# Altium PCB Computer_Board.PcbDoc (part 1 of 5) (continued)
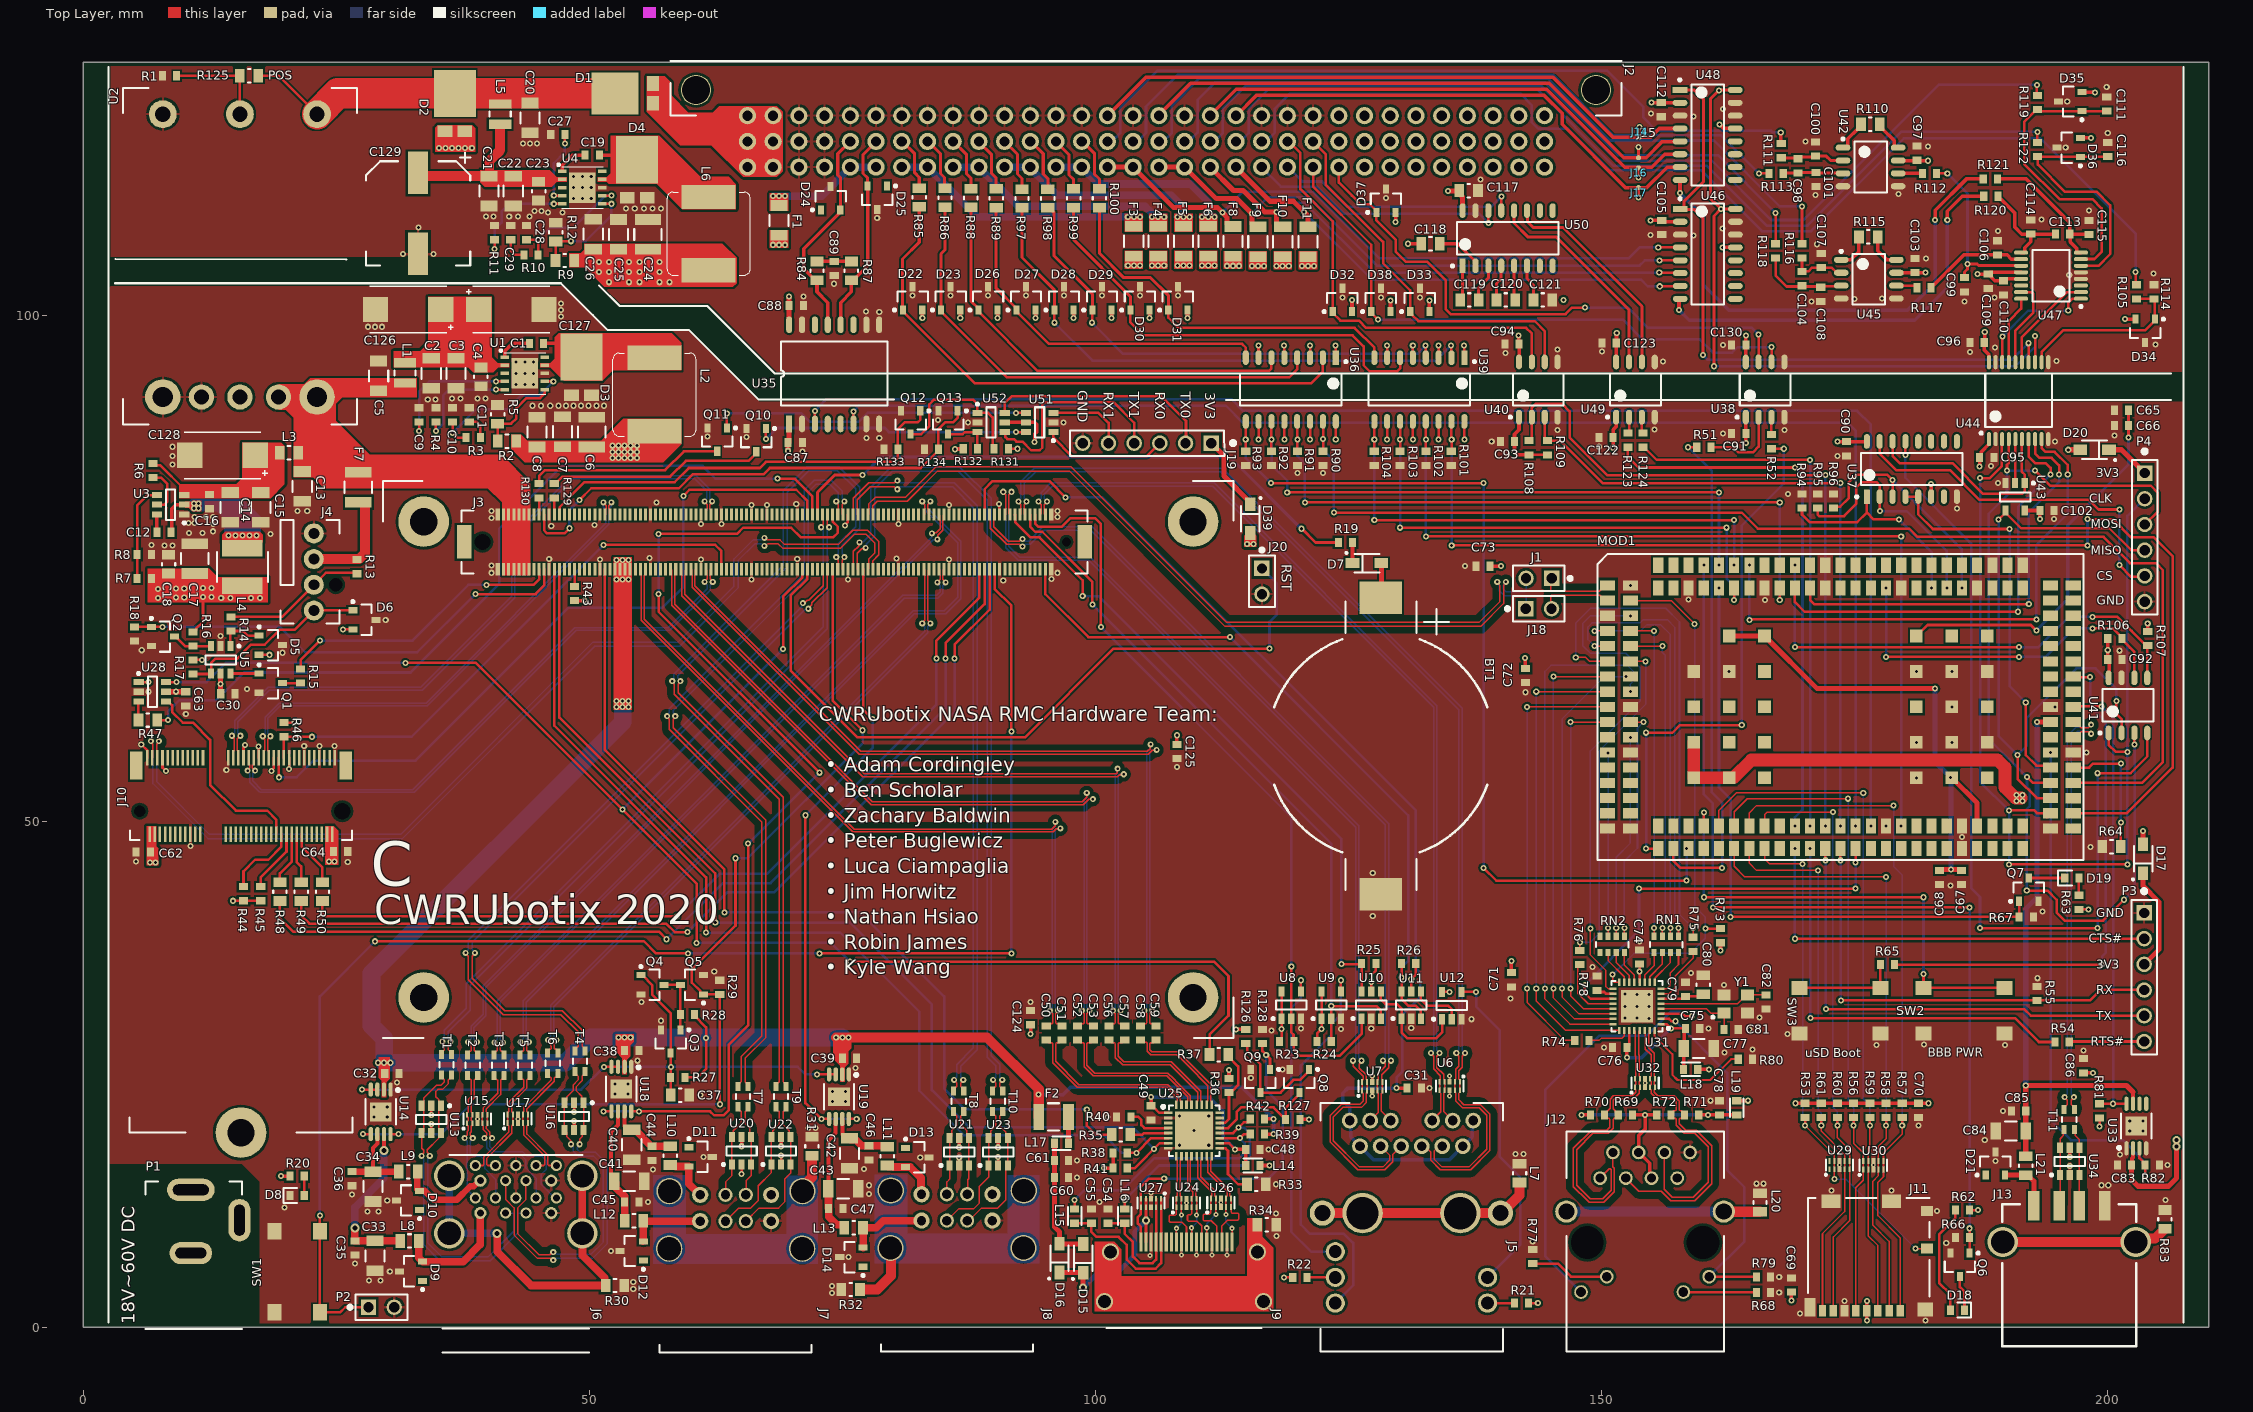
[diagram p0: Top Layer view]
## Classes and differential pairs (continued)
differential pair BBB_TX: +BBB_TX_P -BBB_TX_N
differential pair BBB_RX: +BBB_RX_P -BBB_RX_N

## Components (designator, comment, footprint, x,y, rotation, side; value= is the part's Value field where it differs from the comment)
BT1 "BU2032SM-JJ-GTR" BU2032SM-JJ-GTR 128.2,57.45 r270 top
C1 "0.1uF" chip_0603 44.8,97.2 r0 top
C2 "10uF" chip_1206 34.4,94.25 r270 top
C3 "10uF" chip_1206 36.85,94.25 r270 top
C4 "1uF" chip_0805 39.3,93.9 r270 top
C5 "10uF" chip_1206 29.2,94 r90 top
C6 "47uF" chip_1210 50.25,88.45 r90 top
C7 "10uF" chip_1206 47.35,88.475 r90 top
C8 "10uF" chip_1206 44.85,88.45 r90 top
C9 "10000pF" chip_0603 33.2,90.15 r90 top
C10 "39pF" chip_0603 36.5,90.15 r90 top
C11 "1000pF" chip_0603 38.15,90.15 r90 top
C12 "0.1uF" chip_0603 8,78.55 r0 top
C13 "10uF" chip_1206 21.65,83.075 r270 top
C14 "10uF" chip_1206 14.55,81 r270 top
C15 "10uF" chip_1206 17.55,81 r270 top
C16 "0.1uF" chip_0603 12.5,81.575 r270 top
C17 "47uF" chip_1210 11.05,75.95 r90 top
C18 "1uF" chip_0805 8.45,75.4 r90 top
C19 "0.1uF" chip_0603 50.3,115.8 r0 top
C20 "10uF" chip_1206 44.15,119.475 r270 top
C21 "10uF" chip_1206 40.1,112.25 r270 top
C22 "10uF" chip_1206 42.5,112.25 r270 top
C23 "1uF" chip_0805 45,112.25 r270 top
C24 "47uF" chip_1210 55.8,107.975 r90 top
C25 "10uF" chip_1206 52.9,107.975 r90 top
C26 "10uF" chip_1206 50.4,108 r90 top
C27 "10000pF" chip_0603 46.9,117.85 r180 top
C28 "39pF" chip_0603 43.8,108.15 r90 top
C29 "1000pF" chip_0603 42.25,108.15 r90 top
C30 "0.1uF" chip_0603 14.3,62.6 r0 top
C31 "0.1uF" chip_0603 131.5,23.65 r180 top
C32 "0.1uF" chip_0603 30.5,25.1 r180 top
C33 "10uF" chip_1206 28.85,7.074 r270 top
C34 "10uF" chip_1206 28.65,13.925 r270 top
C35 "0.1uF" chip_0603 26.85,7.85 r90 top
C36 "0.1uF" chip_0603 26.55,14.7 r90 top
C37 "1uF" chip_0805 58.975,22.95 r0 top
C38 "0.1uF" chip_0603 54.2,27.35 r180 top
C39 "0.1uF" chip_0603 75.7,26.6 r180 top
C40 "10uF" chip_1206 54.2,18.05 r270 top
C41 "10uF" chip_1206 53.95,14.45 r0 top
C42 "10uF" chip_1206 75.7,17.2 r270 top
C43 "10uF" chip_1206 75.1,13.7 r0 top
C44 "0.1uF" chip_0603 56.2,17.2 r90 top
C45 "0.1uF" chip_0603 54.2,12.4 r180 top
C46 "0.1uF" chip_0603 77.65,17.25 r90 top
C47 "0.1uF" chip_0603 74.35,11.75 r180 top
C48 "0.1uF" chip_0603 115.55,17.6 r180 top
C49 "0.1uF" chip_0603 105.5,21.2 r90 top
C50 "0.1uF" chip_0603 95.15,29.1 r270 top
C51 "0.1uF" chip_0603 96.7,29.1 r270 top
C52 "0.1uF" chip_0603 98.25,29.1 r270 top
C53 "0.1uF" chip_0603 99.8,29.1 r270 top
C54 "47pF" chip_0603 101.25,11 r90 top
C55 "47pF" chip_0603 99.6,11 r90 top
C56 "0.1uF" chip_0603 101.35,29.1 r270 top
C57 "0.1uF" chip_0603 102.9,29.1 r270 top
C58 "0.1uF" chip_0603 104.45,29.1 r270 top
C59 "0.1uF" chip_0603 106,29.1 r270 top
C60 "0.1uF" chip_0603 96.65,14.8 r180 top
C61 "0.1uF" chip_0603 96.65,16.5 r180 top
C62 "0.1uF" chip_0603 5.95,46.95 r180 top
C63 "0.1uF" chip_0603 10.15,62.1 r90 top
C64 "0.1uF" chip_0603 25.45,47 r180 top
C65 "0.1uF" chip_0603 201.35,90.6 r0 top
C66 "0.1uF" chip_0603 201.35,89.1 r0 top
C67 "0.1uF" chip_0603 185.55,44.45 r90 top
C68 "0.1uF" chip_0603 183.4,44.45 r90 top
C69 "0.1uF" chip_0603 168.75,4.2 r270 top
C70 "0.1uF" chip_0603 181.3,21.45 r90 top
C71 "0.1uF" chip_0603 141.1,34.35 r90 top
C72 "0.1uF" chip_0603 142.5,64.4 r90 top
C73 "0.1uF" chip_0603 138.3,75.2 r0 top
C74 "0.1uF" chip_0603 153.75,36.6 r270 top
C75 "0.1uF" chip_0603 159,29.55 r180 top
C76 "0.1uF" chip_0603 151.8,27.65 r0 top
C77 "10uF" chip_1206 159.6,27.55 r0 top
C78 "0.1uF" chip_0603 161.65,21.7 r270 top
C79 "470pF" chip_0603 158.3,33.4 r90 top
C80 "1uF" chip_0805 160.05,33.85 r90 top
C81 "18pF" chip_0603 162.8,29.45 r0 top
C82 "18pF" chip_0603 166.25,32.15 r270 top
C83 "0.1uF" chip_0603 201.65,16.05 r180 top
C84 "10uF" chip_1206 190.425,19.4 r180 top
C85 "0.1uF" chip_0603 191.2,21.4 r0 top
C86 "0.1uF" chip_0603 197.6,25.85 r90 top
C87 "0.1uF" chip_0603 70.35,87.4 r0 top
C88 "0.1uF" chip_0603 70.45,100.95 r0 top
C89 "10000pF" chip_0603 74.2,104.6 r270 top
C90 "0.1uF" chip_0603 174.2,86.8 r270 top
C91 "0.1uF" chip_0603 163.55,88.3 r0 top
C92 "0.1uF" chip_0603 200.7,66 r0 top
C93 "0.1uF" chip_0603 140.7,87.5 r0 top
C94 "0.1uF" chip_0603 141.15,97.15 r180 top
C95 "0.1uF" chip_0603 188.05,85.95 r180 top
C96 "0.1uF" chip_0603 187.1,97.3 r180 top
C97 "0.1uF" chip_0603 181.15,116 r90 top
C98 "0.1uF" chip_0603 169.4,114.75 r270 top
C99 "1000pF" chip_0603 185.85,103 r270 top
C100 "1000pF" chip_0603 171.15,116.4 r90 top
C101 "1000pF" chip_0603 171.2,113.4 r270 top
C102 "0.1uF" chip_0603 194,80.7 r180 top
C103 "0.1uF" chip_0603 180.95,104.9 r90 top
C104 "0.1uF" chip_0603 169.8,103.6 r270 top
C105 "0.1uF" chip_0603 155.95,108.65 r90 top
C106 "1000pF" chip_0603 189.096,106.65 r90 top
C107 "1000pF" chip_0603 171.7,105.4 r90 top
C108 "1000pF" chip_0603 171.65,102.05 r270 top
C109 "0.1uF" chip_0603 188.2,103.35 r90 top
C110 "0.1uF" chip_0603 189.7,102.7 r270 top
C111 "1000pF" chip_0603 199.9,120.85 r90 top
C112 "0.1uF" chip_0603 155.9,120.3 r90 top
C113 "0.1uF" chip_0603 195.546,108 r0 top
C114 "1000pF" chip_0603 192.396,108.7 r90 top
C115 "1000pF" chip_0603 198.146,108.65 r90 top
C116 "1000pF" chip_0603 200,116.35 r90 top
C117 "1uF" chip_0805 136.875,112.3 r180 top
C118 "1uF" chip_0805 133.1,107.05 r0 top
C119 "1uF" chip_0805 136.95,101.5 r180 top
C120 "1uF" chip_0805 140.55,101.5 r180 top
C121 "1uF" chip_0805 144.2,101.5 r0 top
C122 "0.1uF" chip_0603 150.45,87.9 r0 top
C123 "0.1uF" chip_0603 150.75,97.25 r180 top
C124 "0.1uF" chip_0603 93.6,30.6 r270 top
C125 "0.1uF" chip_0603 108.05,56.9 r90 top
C126 "220uF" chip_2917_KEMET_T495 32.124,100.55 r180 top
C127 "220uF" chip_2917_KEMET_T495 42.3,100.55 r0 top
C128 "220uF" chip_2917_KEMET_T495 13.774,86.15 r180 top
C129 "470uF" CAP_SMD_10x10_0 33.1,110.05 r0 top
C130 "0.1uF" chip_0603 163.55,97.05 r180 top
D1 "diode_sch_A12C3" TO-277-3 53.55,121.9 r0 top
D2 "diode_sch_A12C3" TO-277-3 36.735,120.9 r270 top
D3 "diode_sch_A12C3" TO-277-3 49.235,94.85 r270 top
D4 "diode_sch_A12C3" TO-277-3 54.735,114.35 r270 top
D5 "DLPT05" sot-23-3 18.55,67.4 r0 top
D6 "DLPT05" sot-23-3 27.8,69.9 r0 top
D7 "diode_2" sod123_0 126.825,75.5 r0 top
D8 "diode_4" chip_0603_LED 21.15,13.05 r0 top
D9 "DLPT05" sot-23-3 32.4,5.55 r180 top
D10 "DLPT05" sot-23-3 32.1,12.55 r180 top
D11 "DLPT05" sot-23-3 61,16.85 r0 top
D12 "DLPT05" sot-23-3 54.2,7.55 r180 top
D13 "DLPT05" sot-23-3 82.4,16.8 r0 top
D14 "DLPT05" sot-23-3 75.9,6.95 r180 top
D15 "diode_2" sod123_0 98.8,6.825 r90 top
D16 "diode_2" sod123_0 96.45,6.85 r90 top
D17 "diode_2" sod123_0 203.5,46.3 r90 top
D18 "diode_4" chip_0603_LED 185.15,1.7 r180 top
D19 "diode_4" chip_0603_LED 196.45,44.4 r0 top
D20 "diode_2" sod123_0 198.7,86.7 r180 top
D21 "DLPT05" sot-23-3 188.9,16.2 r90 top
D22 "DLPT05" sot-23-3 81.95,101.65 r90 top
D23 "DLPT05" sot-23-3 85.7,101.65 r90 top
D24 "DLPT05" sot-23-3 73.85,111.55 r90 top
D25 "DLPT05" sot-23-3 78.45,111.6 r270 top
D26 "DLPT05" sot-23-3 89.4,101.65 r90 top
D27 "DLPT05" sot-23-3 93.15,101.65 r90 top
D28 "DLPT05" sot-23-3 96.9,101.65 r90 top
D29 "DLPT05" sot-23-3 100.65,101.65 r90 top
D30 "DLPT05" sot-23-3 104.4,101.65 r90 top
D31 "DLPT05" sot-23-3 108.15,101.65 r90 top
D32 "DLPT05" sot-23-3 124.4,101.5 r90 top
D33 "DLPT05" sot-23-3 132.05,101.5 r90 top
D34 "DLPT05" sot-23-3 203.7,98.45 r270 top
D35 "DLPT05" sot-23-3 196.3,121.1 r180 top
D36 "DLPT05" sot-23-3 196.15,116.55 r180 top
D37 "DLPT05" sot-23-3 128.7,111.3 r90 top
D38 "DLPT05" sot-23-3 128.2,101.5 r90 top
D39 "diode_2" sod123_0 115.3,79.9 r270 top
F1 "PTC_0" chip_1206 68.75,109.35 r270 top
F2 "PTC_0" chip_1210 95.875,20.8 r180 top
F3 "PTC_0" chip_1206 103.8,107.3 r270 top
F4 "PTC_0" chip_1206 106.2,107.3 r270 top
F5 "PTC_0" chip_1206 108.7,107.3 r270 top
F6 "PTC_0" chip_1206 111.15,107.3 r270 top
F7 "PTC_0" chip_1210 27.2,83 r90 top
F8 "PTC_0" chip_1206 113.6,107.275 r90 top
F9 "PTC_0" chip_1206 116.05,107.25 r90 top
F10 "PTC_0" chip_1206 118.5,107.25 r90 top
F11 "PTC_0" chip_1206 121,107.25 r90 top
J1 "conn-2x1_0" HDDR_2x1_0 143.8,74 r180 top
J2 "1-1393644-6" TE_CONN_1-1393644-6 65.63,119.7 r180 top
J3 "3-1827253-6" TE_CONN_1827253 68.3,77.6 r0 top
J4 "conn-4x1_0" MOLEX_0470531000 22.8,78.44 r90 top
J5 "J0G-0003NL" J0G-0003NL 131.22,20.44 r180 top
J6 "1003-004-01010" CNC_TECH_1003-004-01010 42.75,12.8 r0 top
J7 "usb_a_x2" CUI_UJ2-ADH-1-TH 64.466,10.5 r0 top
J8 "usb_a_x2" CUI_UJ2-ADH-1-TH 86.33,10.56 r0 top
J9 "10029449-111RLF" AMPHENOL_10029449 108.75,7.5 r0 top
J10 "2199230-4" TE_CONN_2199230-4 15.6,51 r0 top
J11 "1040310811" MOLEX_1040310811 176.395,1.4 r0 top
J12 "amphenol-RJMG1B" AMPHENOL_RJMG1B 154.3,8.4 r0 top
J13 "usb_a" AMPHENOL_87583-3010RPALF 196.2,8.45 r0 top
J14 "Net Tie" net_tie_0#1 153.75,118.1 r270 top net-tie
J15 "Net Tie" net_tie_0#1 153.65,116.05 r270 top net-tie
J16 "Net Tie" net_tie_0#2 153.65,114.05 r90 top net-tie
J17 "Net Tie" net_tie_0#1 153.65,112.093 r90 top net-tie
J18 "conn-2x1_0" HDDR_2x1_0 143.8,71 r0 top
J19 "conn-6x1_0" HDDR_6X1_0 105.095,87.35 r180 top
J20 "conn-2x1_0" HDDR_2x1_0 116.45,73.7 r270 top
L1 "ind_1" CHIP_1008_IND 31.8,94.3 r90 top
L2 "ind_1" VISHAY_IHLP3232DZ 56.45,92.15 r270 top
L3 "ind_1" chip_0805 20.35,86.4 r180 top
L4 "ind_1" BOURNS_SRN5040 15.75,75.125 r270 top
L5 "ind_1" CHIP_1008_IND 41.2,119.85 r270 top
L6 "ind_1" VISHAY_IHLP3232DZ 61.8,108.05 r270 top
L7 "bead_0" CHIP_0805_FE 141.9,15.25 r90 top
L8 "bead_0" CHIP_0805_FE 32.25,8.55 r0 top
L9 "bead_0" CHIP_0805_FE 32.125,15.4 r180 top
L10 "bead_0" CHIP_0805_FE 58,16.975 r90 top
L11 "bead_0" CHIP_0805_FE 79.45,16.925 r90 top
L12 "bead_0" CHIP_0805_FE 54.425,10.55 r180 top
L13 "bead_0" CHIP_0805_FE 76.125,9.85 r180 top
L14 "bead_0" CHIP_0603_FE 115.55,16 r0 top
L15 "bead_0" CHIP_0603_FE 97.95,11 r90 top
L16 "bead_0" CHIP_0603_FE 102.9,11 r90 top
L17 "bead_0" CHIP_0603_FE 96.65,18.2 r0 top
L18 "bead_0" CHIP_0603_FE 158.8,25.5 r0 top
L19 "bead_0" CHIP_0603_FE 163.35,21.7 r90 top
L20 "bead_0" CHIP_0805_FE 165.65,12.35 r270 top
L21 "bead_0" CHIP_0805_FE 191.9,15.975 r90 top
MOD1 "BCM1.STR" BEAGLECORE_BCM1 173.6,61.3 r0 top
P1 "conn-barrel_0" SWITCHCRAFT_RAPC722X 10.65,-0.15 r0 top
P2 "conn-2x1_0" HDDR_2x1_0 29.48,2 r0 top
P3 "conn-6x1_0" HDDR_6X1_0 203.6,34.595 r270 top
P4 "conn-6x1_0" HDDR_6X1_0 203.65,78.045 r270 top
Q1 "n-mosfet_1" sot-23-3 18.55,63.65 r0 top
Q2 "n-mosfet_1" sot-23-3 7.9,68.25 r0 top
Q3 "n-mosfet_1" sot-23-3 58.05,28.25 r270 top
Q4 "n-mosfet_1" sot-23-3 56.25,33.85 r0 top
Q5 "n-mosfet_1" sot-23-3 60.15,33.85 r180 top
Q6 "n-mosfet_1" sot-23-3 185.4,6.2 r270 top
Q7 "n-mosfet_1" sot-23-3 192.2,43.25 r90 top
Q8 "n-mosfet_1" sot-23-3 120.15,24.35 r270 top
Q9 "n-mosfet_1" sot-23-3 116.3,24.35 r270 top
Q10 "n-mosfet_1" sot-23-3 66.5,87.65 r270 top
Q11 "n-mosfet_1" sot-23-3 62.65,87.7 r270 top
Q12 "n-mosfet_1" sot-23-3 81.75,89.4 r270 top
Q13 "n-mosfet_1" sot-23-3 85.45,89.4 r270 top
R1 "10k" chip_0603 8.55,123.65 r180 top
R2 "60.4k" chip_0805 41.875,87.55 r180 top
R3 "24k" chip_0603 38.55,87.9 r0 top
R4 "270k" chip_0603 34.85,90.15 r90 top
R5 "11.5k" chip_0805 40.95,90.2 r90 top
R6 "10k" chip_0603 6.9,84.65 r90 top
R7 "33k" chip_0603 6.05,74 r180 top
R8 "10k" chip_0603 6.05,76.35 r0 top
R9 "60.4k" chip_0805 47.6,105.4 r180 top
R10 "24k" chip_0603 44.25,105.95 r180 top
R11 "270k" chip_0603 40.65,108.15 r90 top
R12 "11.5k" chip_0805 46.7,108.2 r90 top
R13 "10k" chip_0603 27.05,75.15 r90 top
R14 "10k" chip_0603 14.6,69.5 r90 top
R15 "1k" chip_0603 21.5,64.35 r270 top
R16 "10k" chip_0603 10.85,68 r270 top
R17 "2.2k" chip_0603 10.85,65.25 r270 top
R18 "10k" chip_0603 5.1,68.5 r270 top
R19 "330" chip_0603 124.7,77.55 r180 top
R20 "330" chip_0603 21.15,14.95 r180 top
R21 "100" chip_0603 142.1,2.4 r180 top
R22 "100" chip_0603 120.2,4.95 r0 top
R23 "10k" chip_0603 118.9,28.25 r0 top
R24 "10k" chip_0603 122.6,28.25 r0 top
R25 "10k" chip_0603 127,35.95 r180 top
R26 "10k" chip_0603 130.95,35.95 r180 top
R27 "10k" chip_0603 58.75,24.7 r180 top
R28 "10k" chip_0603 59.7,30.9 r180 top
R29 "470k" chip_0603 62.9,33.6 r90 top
R30 "0" chip_0805 52.55,4.15 r180 top
R31 "0" chip_0805 72,17.9 r270 top
R32 "0" chip_0805 75.825,3.75 r0 top
R33 "0" chip_0805 115.9,14.15 r0 top
R34 "0" chip_0805 116.925,10.15 r0 top
R35 "0" chip_0805 102.525,19.05 r180 top
R36 "100k" chip_0603 113.2,23.9 r270 top
R37 "0" chip_0805 112.2,26.95 r0 top
R38 "2.2k" chip_0603 102.45,17.25 r0 top
R39 "2.2k" chip_0603 116,19.1 r0 top
R40 "12.4k" chip_0603 102.8,20.8 r180 top
R41 "2.2k" chip_0603 102.45,15.75 r0 top
R42 "2.2k" chip_0603 116,20.6 r0 top
R43 "100k" chip_0603 48.55,72.5 r270 top
R44 "10k" chip_0603 15.85,42.85 r90 top
R45 "10k" chip_0603 17.55,42.85 r90 top
R46 "10k" chip_0603 19.85,59.05 r270 top
R47 "0" chip_0805 6.4,60 r180 top
R48 "0" chip_0805 19.45,43.05 r90 top
R49 "0" chip_0805 21.55,43.05 r90 top
R50 "0" chip_0805 23.65,43.05 r90 top
R51 "100" chip_0603 160.1,86.95 r0 top
R52 "100" chip_0603 166.8,87.5 r90 top
R53 "10k" chip_0603 170.1,21.45 r270 top
R54 "330" chip_0603 195.5,28.2 r0 top
R55 "100k" chip_0603 193,33 r270 top
R56 "10k" chip_0603 174.9,21.45 r270 top
R57 "10k" chip_0603 179.7,21.45 r270 top
R58 "10k" chip_0603 178.1,21.45 r270 top
R59 "10k" chip_0603 176.5,21.45 r270 top
R60 "10k" chip_0603 173.3,21.45 r270 top
R61 "10k" chip_0603 171.7,21.45 r270 top
R62 "330" chip_0603 185.65,11.6 r0 top
R63 "330" chip_0603 197.15,42 r270 top
R64 "0" chip_0805 200.375,47.5 r0 top
R65 "100" chip_0603 178.25,35.85 r0 top
R66 "10k" chip_0603 185.65,8.9 r180 top
R67 "10k" chip_0603 191.95,40.55 r0 top
R68 "330" chip_0603 166,3.45 r180 top
R69 "49.9" chip_0603 152.35,21 r180 top
R70 "49.9" chip_0603 149.6,21 r0 top
R71 "49.9" chip_0603 158.9,21 r180 top
R72 "49.9" chip_0603 156.15,21 r0 top
R73 "1.5k" chip_0603 161.75,38.7 r90 top
R74 "100" chip_0603 148.05,28.35 r0 top
R75 "100" chip_0603 159.05,37.85 r270 top
R76 "100" chip_0603 147.85,36.55 r270 top
R77 "330" chip_0603 143.2,7 r90 top
R78 "10k" chip_0603 149.55,34 r90 top
R79 "10k" chip_0603 166,5 r0 top
R80 "12.4k" chip_0603 164.2,26.5 r0 top
R81 "10k" chip_0603 199.2,21.4 r90 top
R82 "10k" chip_0603 204.4,16.05 r0 top
R83 "0" chip_0805 205.65,10.675 r270 top
R84 "60.4" chip_0805 72.5,104.375 r90 top
R85 "470" chip_0805 82.6,111.625 r90 top
R86 "470" chip_0805 85.15,111.6 r90 top
R87 "60.4" chip_0805 75.9,104.375 r270 top
R88 "470" chip_0805 87.7,111.575 r90 top
R89 "470" chip_0805 90.2,111.55 r90 top
R90 "10k" chip_0603 122.5,85.85 r270 top
R91 "10k" chip_0603 119.95,85.85 r270 top
R92 "10k" chip_0603 117.4,85.85 r270 top
R93 "10k" chip_0603 114.85,85.85 r270 top
R94 "10k" chip_0603 169.8,81.65 r90 top
R95 "10k" chip_0603 171.35,81.65 r90 top
R96 "10k" chip_0603 172.9,81.65 r90 top
R97 "470" chip_0805 92.75,111.525 r90 top
R98 "470" chip_0805 95.3,111.525 r90 top
R99 "470" chip_0805 97.85,111.55 r90 top
R100 "470" chip_0805 100.4,111.55 r90 top
R101 "10k" chip_0603 135.15,85.85 r270 top
R102 "10k" chip_0603 132.65,85.85 r270 top
R103 "10k" chip_0603 130.1,85.85 r270 top
R104 "10k" chip_0603 127.55,85.85 r270 top
R105 "100k" chip_0603 202.85,102.3 r90 top
R106 "10k" chip_0603 200.7,68.05 r0 top
R107 "10k" chip_0603 203.95,68.05 r270 top
R108 "2.2k" chip_0603 142.85,86.9 r270 top
R109 "2.2k" chip_0603 144.65,86.9 r270 top
R110 "470" chip_0805 176.55,118.85 r180 top
R111 "1.5k" chip_0603 167.75,116.25 r90 top
R112 "1.5k" chip_0603 182.4,114 r180 top
R113 "1.5k" chip_0603 167.25,114 r180 top
R114 "10k" chip_0603 204.554,102.3 r90 top
R115 "470" chip_0805 176.35,107.734 r180 top
R116 "1.5k" chip_0603 169.8,106.35 r90 top
R117 "1.5k" chip_0603 181.85,102.7 r180 top
R118 "1.5k" chip_0603 167.2,106.35 r90 top
R119 "1.5k" chip_0603 193.05,121 r90 top
R120 "1.5k" chip_0603 188.45,111.746 r180 top
R121 "1.5k" chip_0603 188.4,113.45 r180 top
R122 "1.5k" chip_0603 193.05,116.35 r90 top
R123 "100" chip_0603 152.6,87.65 r90 top
R124 "100" chip_0603 154.1,87.65 r90 top
R125 "0" chip_0805 16.4,123.65 r0 top
R126 "10k" chip_0603 114.85,28.75 r270 top
R127 "10k" chip_0603 119.5,20.55 r180 top
R128 "10k" chip_0603 116.5,28.75 r90 top
R129 "1k" chip_0603 46.55,82.65 r90 top
R130 "1k" chip_0603 45.05,82.65 r90 top
R131 "2.2k" chip_0603 90.7,86.8 r180 top
R132 "2.2k" chip_0603 87.65,86.8 r0 top
R133 "10k" chip_0603 79.8,86.75 r180 top
R134 "10k" chip_0603 83.8,86.75 r180 top
RN1 "res_array_4" chip_1206_arr 156.4,37.8 r270 top
RN2 "res_array_4" chip_1206_arr 151.05,37.8 r270 top
SW1 "SW_1P1T_2" B3FS-1000 21.15,5.5 r90 top
SW2 "SW_1P1T_2" B3FS-1000 185.8,31.3 r180 top
SW3 "SW_1P1T_2" B3FS-1000 173.55,31.3 r0 top
T1 "DLW21HN900SQ2L" MURATA_DLW21H 35.9,25.95 r270 top
T2 "DLW21HN900SQ2L" MURATA_DLW21H 38.49,25.9 r270 top
T3 "DLW21HN900SQ2L" MURATA_DLW21H 41.08,25.9 r270 top
T4 "DLW21HN900SQ2L" MURATA_DLW21H 49.1,26.3 r270 top
T5 "DLW21HN900SQ2L" MURATA_DLW21H 43.67,25.9 r270 top
T6 "DLW21HN900SQ2L" MURATA_DLW21H 46.4,26.1 r270 top
T7 "DLW21HN900SQ2L" MURATA_DLW21H 65.2,22.8 r270 top
T8 "DLW21HN900SQ2L" MURATA_DLW21H 86.5,22.35 r270 top
T9 "DLW21HN900SQ2L" MURATA_DLW21H 68.95,22.8 r270 top
T10 "DLW21HN900SQ2L" MURATA_DLW21H 90.35,22.35 r270 top
T11 "DLW21HN900SQ2L" MURATA_DLW21H 196.2,20.55 r270 top
U1 "TPS54561" WSON-10_0 43.65,94.25 r0 top
U2 "UWS-12/4.5-Q48N-C" MURATA_UWS 15.5,119.85 r270 top
U3 "TPS56220x" sot-23-6 8.65,81.275 r180 top
U4 "TPS54561" WSON-10_0 49.35,112.6 r0 top
U5 "SN74LVC2G04" sot-23-6 13.6,65.95 r270 top
U6 "TPD4E02B04DQAR" USON-10 135,23.85 r270 top
U7 "TPD4E02B04DQAR" USON-10 127.35,23.832 r90 top
U8 "SN74LVC1G126DBVR" sot-23-5 119.35,31.85 r90 top
U9 "SN74LVC1G126DBVR" sot-23-5 123.3,31.85 r90 top
U10 "SN74LVC1G11DBVR" sot-23-6 127.25,31.85 r90 top
U11 "SN74LVC1G11DBVR" sot-23-6 131.2,31.85 r90 top
U12 "SN74LVC1G126DBVR" sot-23-5 135.2,31.8 r90 top
U13 "USBLC6-2SC6Y" sot-23-6 34.4,20.55 r270 top
U14 "TPS2066DGNR" VSSOP-8-PPAD 29.4,21.3 r270 top
U15 "TPD4E02B04DQAR" USON-10 38.95,20.586 r90 top
U16 "USBLC6-2SC6Y" sot-23-6 48.5,20.85 r270 top
U17 "TPD4E02B04DQAR" USON-10 42.95,20.618 r90 top
U18 "TPS2066DGNR" VSSOP-8-PPAD 53.175,23.55 r270 top
U19 "TPS2066DGNR" VSSOP-8-PPAD 74.675,22.8 r270 top
U20 "USBLC6-2SC6Y" sot-23-6 65.05,17.45 r90 top
U21 "USBLC6-2SC6Y" sot-23-6 86.55,17.35 r90 top
U22 "USBLC6-2SC6Y" sot-23-6 68.95,17.45 r90 top
U23 "USBLC6-2SC6Y" sot-23-6 90.4,17.35 r90 top
U24 "TPD4E02B04DQAR" USON-10 109,12.3 r90 top
U25 "PTN3366BSMP" HVQFN-32 109.75,19.45 r0 top
U26 "TPD4E02B04DQAR" USON-10 112.4,12.318 r90 top
U27 "TPD4E02B04DQAR" USON-10 105.5,12.3 r270 top
U28 "SN74LVC1G11DBVR" sot-23-6 6.85,62.8 r0 top
U29 "TPD4E02B04DQAR" USON-10 173.5,16.036 r90 top
U30 "TPD4E02B04DQAR" USON-10 176.85,16.032 r90 top
U31 "LAN8710AI-EZK-TR" QFN-32-EP 153.5,31.725 r180 top
U32 "TPD4E02B04DQAR" USON-10 154.3,24.15 r90 top
U33 "TPS2066DGNR" VSSOP-8-PPAD 202.825,19.9 r90 top
U34 "USBLC6-2SC6Y" sot-23-6 196.25,16.4 r90 top
U35 "ADM3050EBRWZ" SOW-16 74.2,94.15 r90 top
U36 "TLP291-4" SO-16-6.3mm 119.3,92.65 r270 top
U37 "74HC138" SO-16 180.65,84.8 r90 top
U38 "ADuM3211" SO-8 166.15,92.65 r90 top
U39 "TLP291-4" SO-16-6.3mm 132,92.65 r270 top
U40 "ISO1541DR" SO-8 143.75,92.65 r90 top
U41 "ADT7310" SO-8_1 202,61.45 r90 top
U42 "LT1920CS8#PBF" SO-8_1 176.575,114.635 r0 top
U43 "SN74AHCT1G125" sot-23-5 190.85,82.05 r270 top
U44 "ADuM3153BRSZ" tssop-20_1 191.2,91.55 r90 top
U45 "LT1920CS8#PBF" SO-8_1 176.4,103.55 r0 top
U46 "DG408DY" SO-16_1 160.5,106.05 r0 top
U47 "ADS1220IPWR" TSSOP-16_0_1 194.396,103.9 r180 top
U48 "DG408DY" SO-16_1 160.475,117.799 r0 top
U49 "ADuM3211" SO-8 153.35,92.65 r90 top
U50 "MAX232CSE+" SO-16 140.724,107.6 r90 top
U51 "SN74LVC2G04" sot-23-6 94.5,89.4 r180 top
U52 "SN74LVC2G04" sot-23-6 89.7,89.4 r0 top
Y1 "osc_xtal_4p_1-3" ECX-32 163.25,31.95 r0 top

## Footprints (in the part's own frame and the unit in brackets; to place one, negate y for a bottom-side part, rotate by r counter-clockwise, add the part's x,y. Pads: shape width x height; smd on the part's side, far side on the other; paste and mask are expansions set on the pad)
AMPHENOL_87583-3010RPALF [mm] "USB 2.0 Receptacle, Right Angle"
  rect 1.12x2.88 smd: 1(-3.5,3.58) 2(-1,3.58) 3(1,3.58) 4(3.5,3.58)
  round 3 hole 2.3: 5(-6.57,0) 5(6.57,0)
  silkscreen extent -6.6,-10.3 6.6,3.7
AMPHENOL_10029449 [mm] "Amphenol HDMI type A connector"
  rect 0.3x1.9 smd mask+0.05: 1(4.75,0.95) 2(4.25,0.95) 3(3.75,0.95) 4(3.25,0.95) 5(2.75,0.95) 6(2.25,0.95) 7(1.75,0.95) 8(1.25,0.95) 9(0.75,0.95) 10(0.25,0.95) 11(-0.25,0.95) 12(-0.75,0.95) 13(-1.25,0.95) 14(-1.75,0.95) 15(-2.25,0.95) 16(-2.75,0.95) 17(-3.25,0.95) 18(-3.75,0.95) 19(-4.25,0.95)
  round 1.7 hole 1.3: 20(-7.85,-4.95) 20(-7.25,-0.05) 20(7.25,-0.05) 20(7.85,-4.95)
  silkscreen extent -7.65,-7.55 7.65,-7.55, body extent -8.1,-8.5 8.1,1.6, height 6.25
AMPHENOL_RJMG1B [mm]
  round 1.35 hole 3.25 unplated: 0(-5.715,0) 0(5.715,0)
  round 1.35 hole 0.9: 1(-4.445,6.35) 2(-3.175,8.89) 3(-1.905,6.35) 4(-0.635,8.89) 5(0.635,6.35) 6(1.905,8.89) 7(3.175,6.35) 8(4.445,8.89)
  round 1.35 hole 0.95: 9(6.325,-3.38) 10(3.785,-4.9) 11(-3.785,-3.38) 12(-6.325,-4.9)
  round 2.2 hole 1.6: 13(-7.775,3.05) 13(7.775,3.05)
  silkscreen extent -7.78,-10.79 7.78,10.95, body extent -9.87,-10.86 9.87,10.92, height 15.47
B3FS-1000 [mm] "Tactile Switch, Omron, SMD, B3FS Series"
  rect 1.6x1.4 smd: 1(4,-2.25) 2(-4,-2.25) 3(4,2.25) 4(-4,2.25)
  body extent -4,-3.15 4,3.15, height 3
BEAGLECORE_BCM1 [mm] "BeagleCore SOM LGA footprint"
  rect 1.5x1 smd: 1(-23,12) 2(-23,10.5) 3(-23,9) 4(-23,7.5) 5(-23,6) 6(-23,4.5) 7(-23,3) 8(-23,1.5) 9(-23,0) 10(-23,-1.5) 11(-23,-3) 12(-23,-4.5) 13(-23,-6) 14(-23,-7.5) 15(-23,-9) 16(-23,-10.5) 17(-23,-12) 18(-20.75,12) 19(-20.75,10.5) 20(-20.75,9) 21(-20.75,7.5) 22(-20.75,6) 23(-20.75,4.5) 24(-20.75,3) 25(-20.75,1.5) 26(-20.75,0) 27(-20.75,-1.5) 28(-20.75,-3) 29(-20.75,-4.5) 30(-20.75,-6) 31(-20.75,-7.5) 32(-20.75,-9) 33(-20.75,-10.5) 34(-20.75,-12) 85(23,-12) 86(23,-10.5) 87(23,-9.025) 88(23,-7.5) 89(23,-6) 90(23,-4.5) 91(23,-3) 92(23,-1.5) 93(23,0) 94(23,1.5) 95(23,3) 96(23,4.5) 97(23,6) 98(23,7.5) 99(23,9) 100(23,10.5) 101(23,12) 102(20.75,-12) 103(20.75,-10.5) 104(20.75,-9) 105(20.75,-7.5) 106(20.75,-6) 107(20.75,-4.5) 108(20.75,-3) 109(20.75,-1.5) 110(20.75,0) 111(20.75,1.5) 112(20.75,3) 113(20.75,4.5) 114(20.75,6) 115(20.75,7.5) 116(20.75,9) 117(20.75,10.5) 118(20.75,12)
  rect 1x1.5 smd: 35(-18,-14) 36(-16.5,-14) 37(-15,-14) 38(-13.5,-14) 39(-12,-14) 40(-10.5,-14) 41(-9,-14) 42(-7.5,-14) 43(-6,-14) 44(-4.5,-14) 45(-3,-14) 46(-1.5,-14) 47(0,-14) 48(1.5,-14) 49(3,-14) 50(4.5,-14) 51(6,-14) 52(7.5,-14) 53(9,-14) 54(10.5,-14) 55(12,-14) 56(13.5,-14) 57(15,-14) 58(16.5,-14) 59(18,-14) 60(-18,-11.75) 61(-16.5,-11.75) 62(-15,-11.75) 63(-13.5,-11.75) 64(-12,-11.75) 65(-10.5,-11.75) 66(-9,-11.75) 67(-7.5,-11.75) 68(-6,-11.75) 69(-4.5,-11.75) 70(-3,-11.75) 71(-1.5,-11.75) 72(0,-11.75) 73(1.5,-11.75) 74(3,-11.75) 75(4.5,-11.75) 76(6,-11.75) 77(7.5,-11.75) 78(9,-11.75) 79(10.5,-11.75) 80(12,-11.75) 81(13.5,-11.75) 82(15,-11.75) 83(16.5,-11.75) 84(18,-11.75) 119(18,14) 120(16.5,14) 121(15,14) 122(13.5,14) 123(12,14) 124(10.5,14) 125(9,14) 126(7.5,14) 127(6,14) 128(4.5,14) 129(3,14) 130(1.5,14) 131(0,14) 132(-1.5,14) 133(-3,14) 134(-4.5,14) 135(-6,14) 136(-7.5,14) 137(-9,14) 138(-10.5,14) 139(-12,14) 140(-13.5,14) 141(-15,14) 142(-16.5,14) 143(-18,14) 144(18,11.75) 145(16.5,11.75) 146(15,11.75) 147(13.5,11.75) 148(12,11.75) 149(10.5,11.75) 150(9,11.75) 151(7.5,11.75) 152(6,11.75) 153(4.5,11.75) 154(3,11.75) 155(1.5,11.75) 156(0,11.75) 157(-1.5,11.75) 158(-3,11.75) 159(-4.5,11.75) 160(-6,11.75) 161(-7.5,11.75) 162(-9,11.75) 163(-10.5,11.75) 164(-12,11.75) 165(-13.5,11.75) 166(-15,11.75) 167(-16.5,11.75) 168(-18,11.75)
  rect 1.25x1.25 smd: A2(-14.5,3.5) A3(-14.5,0) A4(-14.5,-3.5) A5(-14.5,-7) B1(-11,7) B2(-11,3.5) B3(-11,0) B4(-11,-3.5) B5(-11,-7) C1(-7.5,7) C2(-7.5,3.5) C3(-7.5,0) C4(-7.5,-3.5) C5(-7.5,-7) G1(7.5,7) G2(7.5,3.5) G3(7.5,0) G4(7.5,-3.5) G5(7.5,-7) H1(11,7) H2(11,3.5) H3(11,0) H4(11,-3.5) H5(11,-7) I1(14.5,7) I2(14.5,3.5) I3(14.5,0) I4(14.5,-3.5) I5(14.5,-7)
  silkscreen extent -24,-15.11 24,15.11, body extent -24,-15.1 24,15.1, height 3.23
BOURNS_SRN5040 [mm] "Bourns SRN5040 series inductors"
  rect 1.6x4 smd: 1(-1.85,0) 2(1.85,0)
  silkscreen extent -1.5,-2.5 1.5,2.5, body extent -2.5,-2.52 2.5,2.5, height 3.5
BU2032SM-JJ-GTR [mm] "CR2032 Battery Holder"
  rect 3.2x4.2 smd: 1(-14.65,0) 2(14.65,0)
  silkscreen extent -14.25,-10.52 14.25,10.52, body extent -15.85,-10 15.85,10, height 5.3
CAP_SMD_10x10_0 [mm]
  rect 2x4.2 smd: 1(0,4) 2(0,-4)
  silkscreen extent -5.15,-5.15 5.15,6, body extent -5.15,-5.15 5.15,5.15, height 10
chip_0603 [mm]
  rect 0.7x0.9 smd: 1(-0.7,0) 2(0.7,0)
  body extent -0.85,-0.45 0.85,0.45, height 0.6
CHIP_0603_FE [mm]
  rect 0.7x0.9 smd: 1(-0.7,0) 2(0.7,0)
  silkscreen extent -0.9,-0.67 0.9,0.67, body extent -0.85,-0.45 0.85,0.45, height 0.92
chip_0603_LED [mm]
  rect 0.7x0.9 smd: 1(-0.7,0) 2(0.7,0)
  silkscreen extent -1.35,-0.75 0,0.72, body extent -0.85,-0.45 0.85,0.45, height 0.6
chip_0805 [mm]
  rect 0.95x1.3 smd: 1(-0.925,0) 2(0.925,0)
  silkscreen extent -0.13,-0.66 0.13,0.66, body extent -1.05,-0.65 1.05,0.65, height 0.6
CHIP_0805_FE [mm] "0805 Ferrite Bead"
  rect 0.95x1.35 smd: 1(-0.925,0) 2(0.925,0)
  silkscreen extent -0.13,-0.66 0.13,0.66, body extent -1.05,-0.65 1.05,0.65, height 1.17
CHIP_1008_IND [mm]
  rect 0.9x2.2 smd: 1(-1,0) 2(1,0)
  silkscreen extent -0.25,-1.05 0.25,1.05, body extent -1.25,-1 1.25,1, height 0.9
chip_1206 [mm]
  rect 1.05x1.7 smd: 1(-1.475,0) 2(1.475,0)
  silkscreen extent -0.55,-0.95 0.55,0.95, body extent -1.65,-0.85 1.65,0.85, height 0.6
chip_1206_arr [mm] "4 element array"
  rect 0.7x0.5 smd mask+0.062: 1(-0.85,1.2) 2(-0.85,0.4) 3(-0.85,-0.4) 4(-0.85,-1.2) 5(0.75,-1.2) 6(0.75,-0.4) 7(0.75,0.4) 8(0.75,1.2)
  silkscreen extent -0.3,-1.6 0.25,1.6, body extent -0.85,-1.6 0.75,1.6, height 0.53
chip_1210 [mm]
  rect 1.05x2.6 smd: 1(-1.475,0) 2(1.475,0)
  silkscreen extent -0.55,-1.35 0.55,1.35, body extent -1.65,-1.3 1.65,1.3, height 0.6
chip_2917_KEMET_T495 [mm] "2917 footprint for AVX TAJD"
  rect 2.5x2.5 smd: 1(-3.226,0) 2(3.226,0)
  silkscreen extent -4.45,-2.3 3.8,2.3, body extent -3.8,-2.31 3.8,2.29, height 3.11
CNC_TECH_1003-004-01010 [mm] "USB-A 3.0 x2 from CNC Tech"
  round 1.2 hole 0.7: 1(-3.5,-1.5) 4(3.5,-1.5) 10(-3.5,1.7) 13(3.5,1.7)
  round 1.1 hole 0.7: 2(-1,-1.5) 3(1,-1.5) 5(-4,0) 6(-2,0) 7(0,0) 8(2,0) 9(4,0) 11(-1,1.7) 12(1,1.7) 14(-4,3.2) 15(-2,3.2) 16(0,3.2) 17(2,3.2) 18(4,3.2)
  round 3 hole 2.3: 19(-6.57,-3.5) 19(-6.57,2.19) 19(6.57,-3.5) 19(6.57,2.19)
  silkscreen extent -7.25,-15.25 7.25,4.25, body extent -7.25,-15.28 7.25,4.22, height 15.29
CUI_UJ2-ADH-1-TH [mm] "USB 2.0 Double Decker R/A"
  round 1.6 hole 0.925: 1(-3.5,2.6) 4(3.5,2.6) 5(-3.5,0) 8(3.5,0)
  round 1.4 hole 0.925: 2(-1,2.6) 3(1,2.6) 6(-1,0) 7(1,0)
  round 2.6 hole 2.3: 9(-6.57,-2.71) 9(-6.54,2.97) 9(6.57,-2.71) 9(6.6,2.97)
  silkscreen extent -7.5,-12.95 7.5,-12.25, body extent -8.02,-12.97 8.02,4.12, height 16.17
ECX-32 [mm] "ECS Inc. Crystal ECX-32 Series"
  rect 1.3x1.1 smd mask+0.05: 1(-1.15,-0.9) 2(1.15,-0.9) 3(1.15,0.9) 4(-1.15,0.9)
  silkscreen extent -2.37,-1.42 -2.12,-1.18, body extent -1.6,-1.25 1.6,1.25, height 0.8
HDDR_2x1_0 [mil] "0.1\" Header 2x1"
  rect 60x60 hole 40: 1(-50.39,0)
  round 60 hole 40: 2(49.61,0)
  silkscreen extent -128,-50 100,50, body extent -100,-50 100,50, height 336
HDDR_6X1_0 [mil] "0.1\" Header 6x1"
  rect 60x60 hole 40: 1(-250.2,0)
  round 60 hole 40: 2(-150.2,0) 3(-50.2,0) 4(49.8,0) 5(149.8,0) 6(249.8,0)
  silkscreen extent -343,-49 300,49, body extent -301,-49 299,51, height 336
HVQFN-32 [mm]
  rect 0.85x0.27 smd mask+0.05: 1(-2.55,1.75) 2(-2.55,1.25) 3(-2.55,0.75) 4(-2.55,0.25) 5(-2.55,-0.25) 6(-2.55,-0.75) 7(-2.55,-1.25) 8(-2.55,-1.75) 17(2.55,-1.75) 18(2.55,-1.25) 19(2.55,-0.75) 20(2.55,-0.25) 21(2.55,0.25) 22(2.55,0.75) 23(2.55,1.25) 24(2.55,1.75)
  rect 0.27x0.85 smd mask+0.05: 9(-1.75,-2.55) 10(-1.25,-2.55) 11(-0.75,-2.55) 12(-0.25,-2.55) 13(0.25,-2.55) 14(0.75,-2.55) 15(1.25,-2.55) 16(1.75,-2.55) 25(1.75,2.55) 26(1.25,2.55) 27(0.75,2.55) 28(0.25,2.55) 29(-0.25,2.55) 30(-0.75,2.55) 31(-1.25,2.55) 32(-1.75,2.55)
  rect 3.75x3.75 smd mask+0.075: 33(0,0)
  silkscreen extent -3.2,-2.5 2.5,2.5, body extent -2.5,-2.5 2.5,2.5, height 0.85
J0G-0003NL [mm] "RJ45 Mag-Jack"
  round 1.55 hole 0.95: 1(-5.08,2.54) 2(-3.05,2.54) 3(-1.02,2.54) 4(1.02,2.54) 5(3.05,2.54) 6(5.08,2.54) 7(-6.1,0) 8(-4.07,0) 9(-2.04,0) 10(2.04,0) 11(4.07,0) 12(6.1,0)
  round 1.9 hole 1.27: 13(-7.52,15.49) 14(-7.52,18.03) 15(7.52,12.95) 16(7.52,15.49) 17(7.52,18.03)
  round 2.5 hole 1.57: 18(-8.79,9.14) 18(8.79,9.14)
  round 4 hole 3.2: 18(-4.83,9.14) 18(4.83,9.14)
  silkscreen extent -9.05,-1.75 9,22.8, body extent -9.02,-1.76 9.02,22.79, height 11.05
MOLEX_0470531000 [mm] "Molex 4-Pos Header 0470531000"
  round 0 hole 1.3 unplated: 0(-5.08,-2.16)
  round 1.97 hole 1.07: 1(0,0) 2(-2.54,0) 3(-5.08,0) 4(-7.62,0)
  silkscreen extent -8.92,-2.55 1.3,3.3, body extent -8.91,-2.54 1.29,3.3, height 10
MOLEX_1040310811 [mm] "Molex uSD Card Socket"
  rect 0.75x1.1 smd mask+0.075: 1(3.105,0.25) 2(2.005,0.25) 3(0.905,0.25) 4(-0.195,0.25) 5(-1.295,0.25) 6(-2.395,0.25) 7(-3.495,0.25)
  rect 0.7x1.1 smd mask+0.075: 8(-4.57,0.25)
  rect 1.2x1 smd: 9(5.74,6.4) 10(5.74,10.1)
  rect 1.125x1.8 smd: 11(-5.8,0.6)
  rect 1.9x1.35 smd: 11(-3.73,11.075) 11(2.24,11.075)
  rect 1.55x1.35 smd: 11(5.565,0.375)
  silkscreen extent -6,1.65 6,11.4, body extent -5.97,-0.01 5.98,11.39, height 1.43
MURATA_DLW21H [mm] "Murata DLW21H series CMC"
  rect 0.9x0.5 smd: 1(-1,0.5) 2(1,0.5) 3(1,-0.5) 4(-1,-0.5)
  silkscreen extent -0.25,-0.7 0.25,0.7, body extent -1.1,-0.7 1.1,0.7, height 1
MURATA_UWS [mm] "Murata UWS 8-Pin 1/16 Brick module"
  round 2.75 hole 1.5: 1(0,7.62) 2(0,0) 3(0,-7.62)
  round 3.5 hole 2: 4(27.94,-7.62) 8(27.94,7.62)
  round 2.5 hole 1.5: 5(27.94,-3.81) 6(27.94,0) 7(27.94,3.81)
  silkscreen extent -2.6,-11.55 30.65,11.55, body extent -2.6,-11.56 30.67,11.55, height 9.1
net_tie_0#1 [mm] "Net Tie"
  round 0.5 smd: 1(-0.5,0) 2(0.5,0)
  Top Layer lines w0.3: 0.5,0 -0.5,0
net_tie_0#2 [mm] "Net Tie"
  round 0.5 smd: 1(-0.5,0) 2(0.5,0)
  Top Layer lines w0.3: -0.5,0 -0.45,0 0.5,0
QFN-32-EP [mm]
  rect 0.7x0.25 smd mask+0.05: 1(-2.375,1.75) 2(-2.375,1.25) 3(-2.375,0.75) 4(-2.375,0.25) 5(-2.375,-0.25) 6(-2.375,-0.75) 7(-2.375,-1.25) 8(-2.375,-1.75) 17(2.375,-1.75) 18(2.375,-1.25) 19(2.375,-0.75) 20(2.375,-0.25) 21(2.375,0.25) 22(2.375,0.75) 23(2.375,1.25) 24(2.375,1.75)
  rect 0.25x0.7 smd mask+0.05: 9(-1.75,-2.375) 10(-1.25,-2.375) 11(-0.75,-2.375) 12(-0.25,-2.375) 13(0.25,-2.375) 14(0.75,-2.375) 15(1.25,-2.375) 16(1.75,-2.375) 25(1.75,2.375) 26(1.25,2.375) 27(0.75,2.375) 28(0.25,2.375) 29(-0.25,2.375) 30(-0.75,2.375) 31(-1.25,2.375) 32(-1.75,2.375)
  rect 3.2x3.2 smd: 33(0,0)
  silkscreen extent -3.22,-2.5 2.5,2.5
SO-8 [mm] "SO-8 Package"
  oval 1.45x0.6 smd: 1(-2.725,1.905) 2(-2.725,0.635) 3(-2.725,-0.635) 4(-2.725,-1.905) 5(2.725,-1.905) 6(2.725,-0.635) 7(2.725,0.635) 8(2.725,1.905)
  silkscreen extent -2.85,-2.5 1.6,2.88, body extent -3.08,-2.5 3.08,2.5, height 2
SO-8_1 [mm] "SO-8 Package"
  oval 1.45x0.6 smd: 1(-2.725,1.905) 2(-2.725,0.635) 3(-2.725,-0.635) 4(-2.725,-1.905) 5(2.725,-1.905) 6(2.725,-0.635) 7(2.725,0.635) 8(2.725,1.905)
  silkscreen extent -2.85,-2.5 1.6,2.88, body extent -3.08,-2.5 3.08,2.5, height 2
SO-16 [mm]
  rect 1.45x0.6 smd: 1(-2.725,4.445)
  oval 1.45x0.6 smd: 2(-2.725,3.175) 3(-2.725,1.905) 4(-2.725,0.635) 5(-2.725,-0.635) 6(-2.725,-1.905) 7(-2.725,-3.175) 8(-2.725,-4.445) 9(2.725,-4.445) 10(2.725,-3.175) 11(2.725,-1.905) 12(2.725,-0.635) 13(2.725,0.635) 14(2.725,1.905) 15(2.725,3.175) 16(2.725,4.445)
  silkscreen extent -2.87,-5 1.6,5.57, body extent -3.11,-5.04 3.06,5.04, height 2
SO-16-6.3mm [mm] "Slightly wider SOIC-16 (6.3mm)"
  rect 1.45x0.6 smd: 1(-3.15,4.445)
  oval 1.45x0.6 smd: 2(-3.15,3.175) 3(-3.15,1.905) 4(-3.15,0.635) 5(-3.15,-0.635) 6(-3.15,-1.905) 7(-3.15,-3.175) 8(-3.15,-4.445) 9(3.15,-4.445) 10(3.15,-3.175) 11(3.15,-1.905) 12(3.15,-0.635) 13(3.15,0.635) 14(3.15,1.905) 15(3.15,3.175) 16(3.15,4.445)
  silkscreen extent -2.87,-5 1.6,5.57, body extent -3.11,-5.04 3.06,5.04, height 2
SO-16_1 [mm]
  rect 1.45x0.6 smd: 1(-2.725,4.445)
  oval 1.45x0.6 smd: 2(-2.725,3.175) 3(-2.725,1.905) 4(-2.725,0.635) 5(-2.725,-0.635) 6(-2.725,-1.905) 7(-2.725,-3.175) 8(-2.725,-4.445) 9(2.725,-4.445) 10(2.725,-3.175) 11(2.725,-1.905) 12(2.725,-0.635) 13(2.725,0.635) 14(2.725,1.905) 15(2.725,3.175) 16(2.725,4.445)
  silkscreen extent -2.87,-5 1.6,5.57, body extent -3.11,-5.04 3.06,5.04, height 2
sod123_0 [mm] "SOD123, 1.65mm x 2.70mm"
  rect 1.35x1 smd: 1(-1.425,0) 2(1.425,0)
  silkscreen extent -2.13,-0.9 1.25,1.12, body extent -1.45,-0.9 1.45,0.9, height 1
sot-23-3 [mm] "SOT-23-3 package"
  rect 0.9x0.6 smd: 1(-1.15,0.95) 2(-1.15,-0.95) 3(1.15,0)
  silkscreen extent -1.27,-1.5 0.7,1.92, body extent -1.42,-1.5 1.42,1.5, height 1.2
sot-23-5 [mm] "SOT23, 5-Leads, Body 2.90x2.80mm, Pitch 0.95mm, IPC Medium Density"
  rect 1x0.6 smd: 1(-1.35,0.95) 2(-1.35,0) 3(-1.35,-0.95) 4(1.35,-0.95) 5(1.35,0.95)
  silkscreen extent -1.47,-1.5 0.45,1.92, body extent -1.42,-1.5 1.42,1.5, height 1.2
sot-23-6 [mm] "SOT23, 6-Leads, Body 2.90x2.80mm, Pitch 0.95mm, IPC Medium Density"
  rect 1x0.6 smd: 1(-1.35,0.95) 2(-1.35,0) 3(-1.35,-0.95) 4(1.35,-0.95) 5(1.35,0) 6(1.35,0.95)
  silkscreen extent -1.48,-1.5 0.45,1.92, body extent -1.42,-1.5 1.42,1.5, height 1.2
SOW-16 [mm] "Small Outline Wide Body"
  rect 1.65x0.6 smd: 1(-4.9,4.445)
  oval 1.65x0.6 smd: 2(-4.9,3.175) 3(-4.9,1.905) 4(-4.9,0.635) 5(-4.9,-0.635) 6(-4.9,-1.905) 7(-4.9,-3.175) 8(-4.9,-4.445) 9(4.9,-4.445) 10(4.9,-3.175) 11(4.9,-1.905) 12(4.9,-0.635) 13(4.9,0.635) 14(4.9,1.905) 15(4.9,3.175) 16(4.9,4.445)
  silkscreen extent -3.1,-5.26 3.23,5.25, body extent -5.1,-5.03 5.06,5.05, height 1.97
SWITCHCRAFT_RAPC722X [mm] "2x5.5mm Barrel Connector"
  oval 4.7x2.2 hole 1.05 slot 3.56 at 0 deg: 1(0,13.75)
  oval 4.2x2.2 hole 3.05 slot 1.05 at 90 deg: 2(0,7.5)
  oval 2.2x4.2 hole 3.05 slot 1.05 at 0 deg: 3(4.8,10.75)
  silkscreen extent -4.5,0 5.05,14.55, body extent -4.5,0 5.05,14.54, height 10.96
TE_CONN_1-1393644-6 [mm] "TE Connectivity DIN 41612"
  round 3 hole 2.8: 0(-83.82,-2.54) 0(5.08,-2.54)
  round 1.7 hole 1: A1(0,0) A2(-2.54,0) A3(-5.08,0) A4(-7.62,0) A5(-10.16,0) A6(-12.7,0) A7(-15.24,0) A8(-17.78,0) A9(-20.32,0) A10(-22.86,0) A11(-25.4,0) A12(-27.94,0) A13(-30.48,0) A14(-33.02,0) A15(-35.56,0) A16(-38.1,0) A17(-40.64,0) A18(-43.18,0) A19(-45.72,0) A20(-48.26,0) A21(-50.8,0) A22(-53.34,0) A23(-55.88,0) A24(-58.42,0) A25(-60.96,0) A26(-63.5,0) A27(-66.04,0) A28(-68.58,0) A29(-71.12,0) A30(-73.66,0) A31(-76.2,0) A32(-78.74,0) B1(0,2.54) B2(-2.54,2.54) B3(-5.08,2.54) B4(-7.62,2.54) B5(-10.16,2.54) B6(-12.7,2.54) B7(-15.24,2.54) B8(-17.78,2.54) B9(-20.32,2.54) B10(-22.86,2.54) B11(-25.4,2.54) B12(-27.94,2.54) B13(-30.48,2.54) B14(-33.02,2.54) B15(-35.56,2.54) B16(-38.1,2.54) B17(-40.64,2.54) B18(-43.18,2.54) B19(-45.72,2.54) B20(-48.26,2.54) B21(-50.8,2.54) B22(-53.34,2.54) B23(-55.88,2.54) B24(-58.42,2.54) B25(-60.96,2.54) B26(-63.5,2.54) B27(-66.04,2.54) B28(-68.58,2.54) B29(-71.12,2.54) B30(-73.66,2.54) B31(-76.2,2.54) B32(-78.74,2.54) C1(0,5.08) C2(-2.54,5.08) C3(-5.08,5.08) C4(-7.62,5.08) C5(-10.16,5.08) C6(-12.7,5.08) C7(-15.24,5.08) C8(-17.78,5.08) C9(-20.32,5.08) C10(-22.86,5.08) C11(-25.4,5.08) C12(-27.94,5.08) C13(-30.48,5.08) C14(-33.02,5.08) C15(-35.56,5.08) C16(-38.1,5.08) C17(-40.64,5.08) C18(-43.18,5.08) C19(-45.72,5.08) C20(-48.26,5.08) C21(-50.8,5.08) C22(-53.34,5.08) C23(-55.88,5.08) C24(-58.42,5.08) C25(-60.96,5.08) C26(-63.5,5.08) C27(-66.04,5.08) C28(-68.58,5.08) C29(-71.12,5.08) C30(-73.66,5.08) C31(-76.2,5.08) C32(-78.74,5.08)
  silkscreen extent -86.35,-5.4 7.61,-0.01, body extent -86.37,-12.7 7.63,5.38, height 9.57